# Altium PCB higgs.PcbDoc (part 4 of 25)
Units mm, origin at the board's own origin, x right, y up, seen from the top; angles counter-clockwise.
Board outline 160 x 160 mm, 15 copper layers (TOP, P1(GND), S1(V), P2(GND), S2(H), P3(GND), S3(V12/V2V5), S4(VDDR), P4(GND), S5(V), P5(GND), S6(H), P6(GND), P1(GND) (Plane1), BOT), stack 3.262 mm thick; 1283 components, 2419 nets, 11066 pads, 5487 vias.
Unrouted connection lines stored in the file: 239.
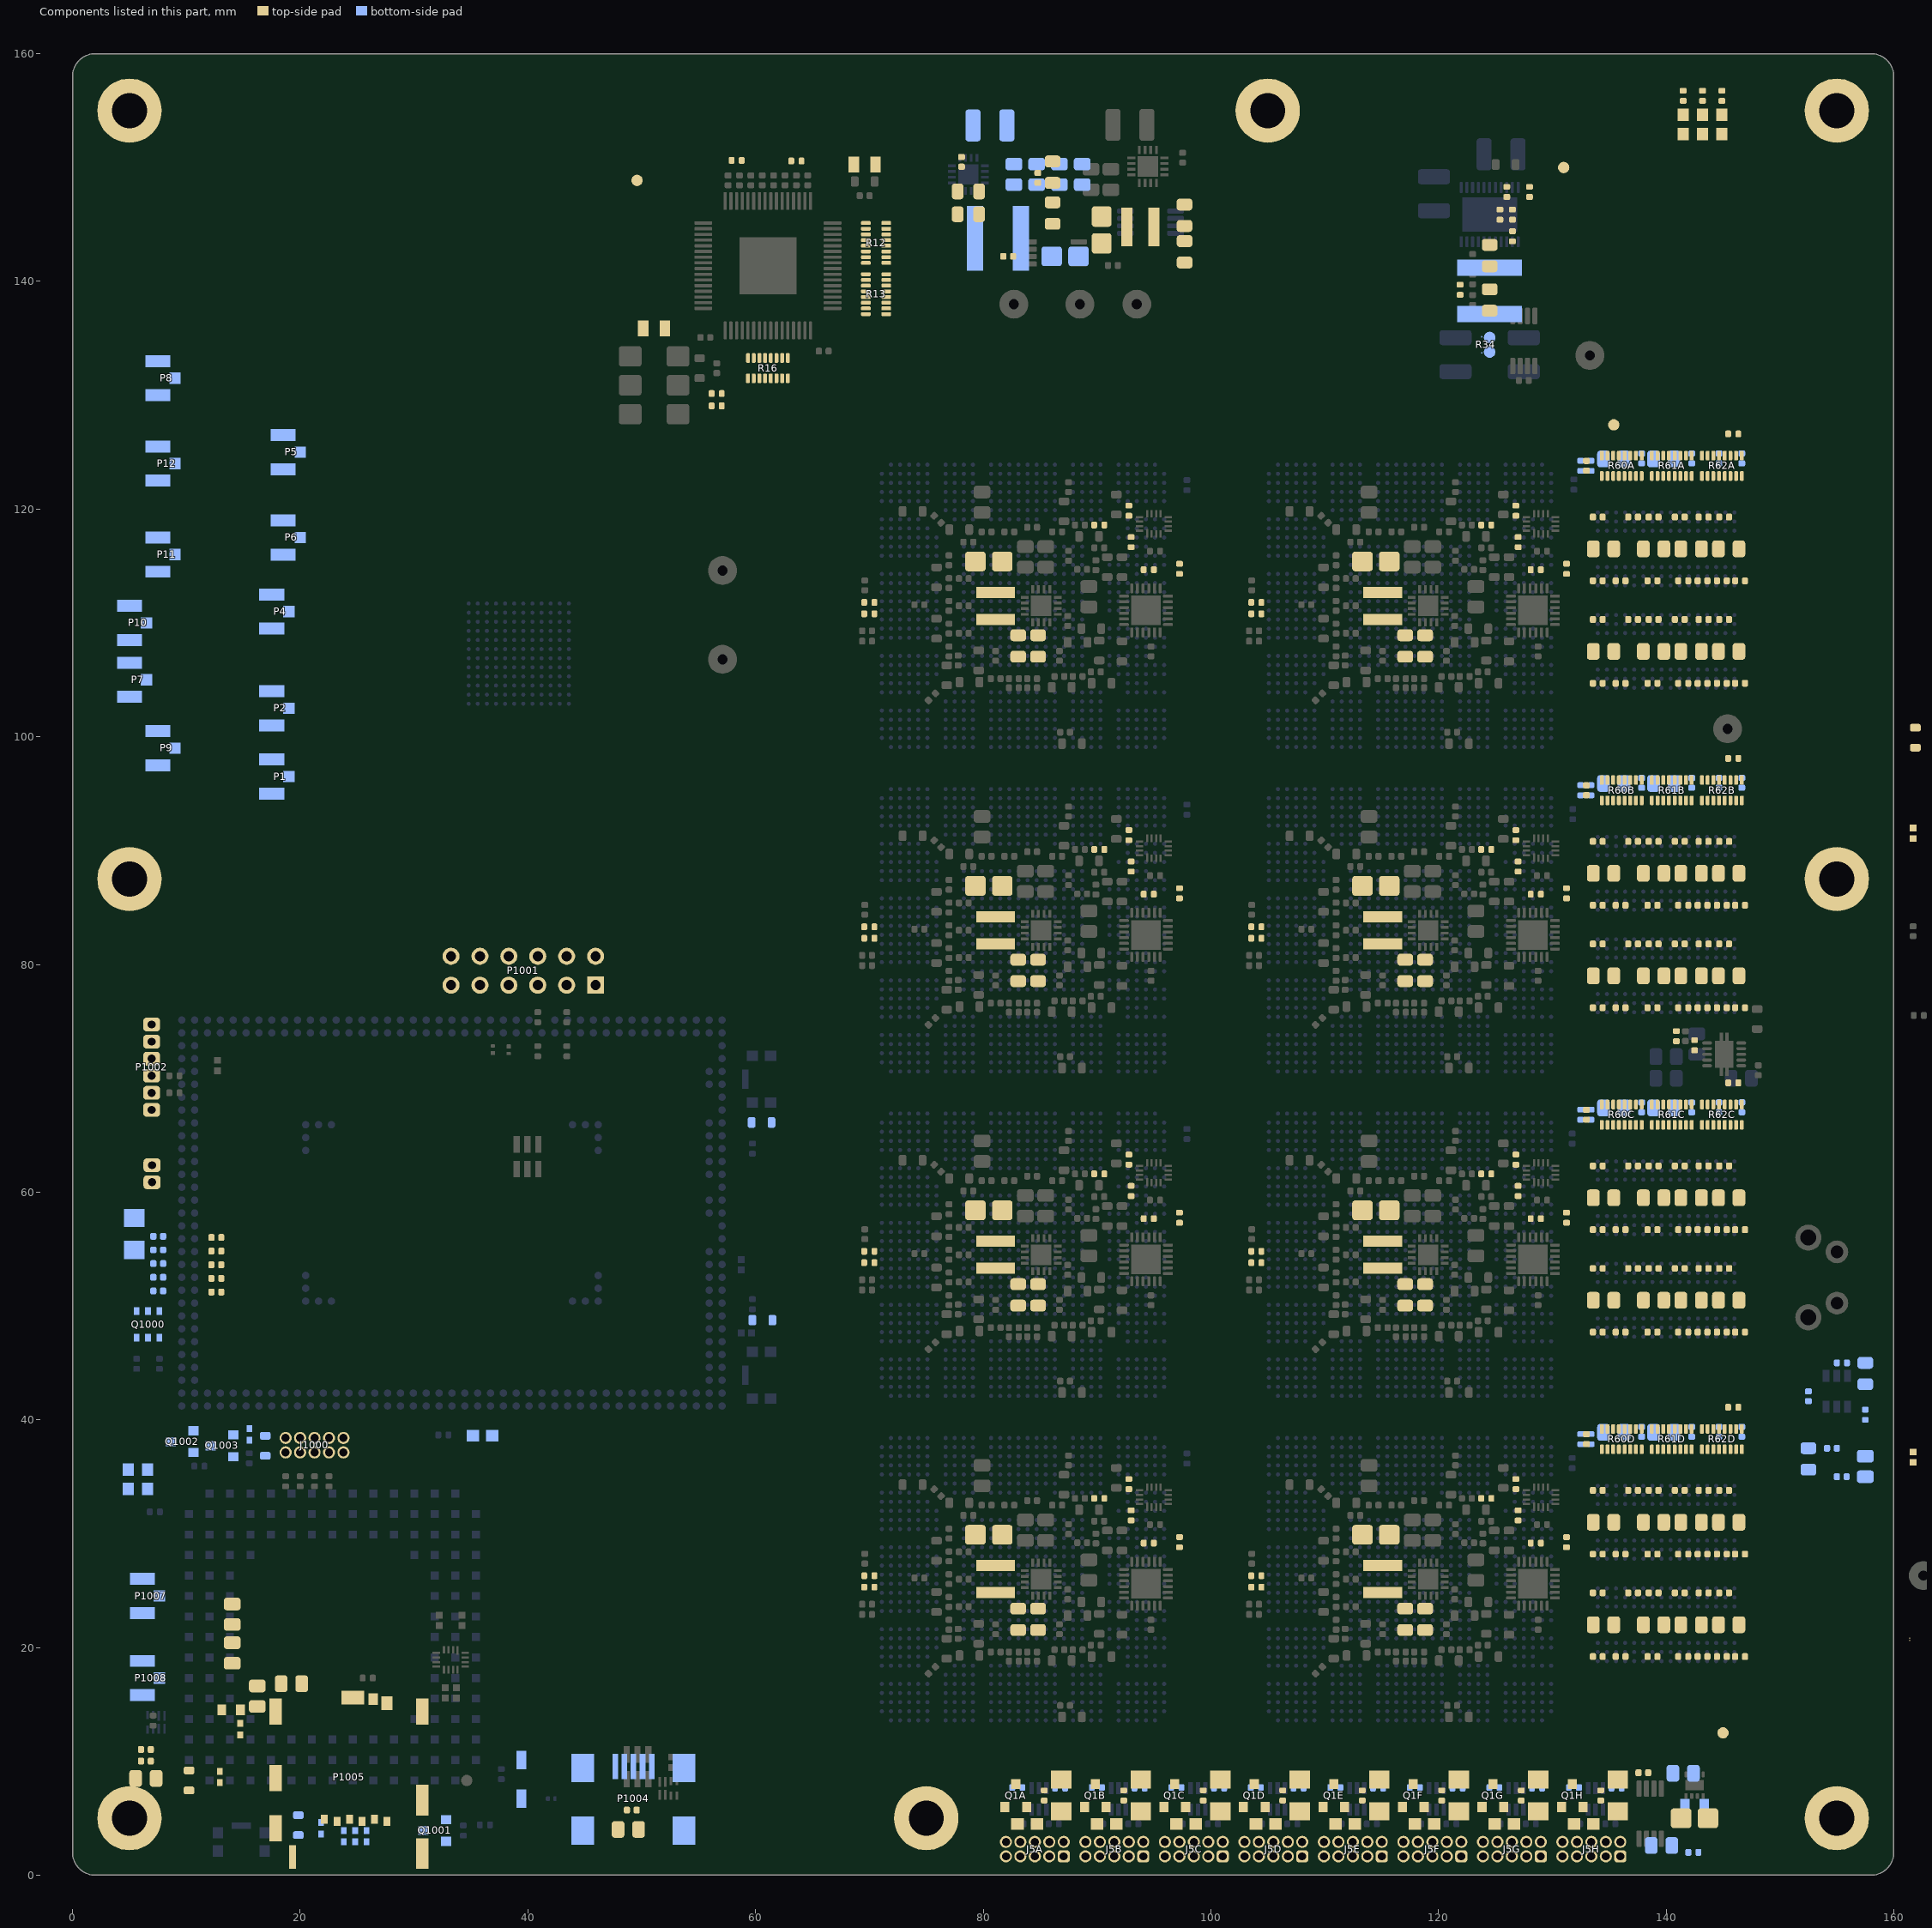
[diagram p17: the components of this part, seen from the top]

## Components (designator, comment, footprint, x,y, rotation, side; value= is the part's Value field where it differs from the comment) (continued)
C108A "GRM155R71C104KA88J" CAPC100X50X55L25N 1115.687,1160.705 r0 top value=100nF (schematic designator C108)
C108B "GRM155R71C104KA88J" CAPC100X50X55L25N 184.599,91.617 r90 top value=100nF (schematic designator C108)
C109A "GRM155R71C104KA88J" CAPC100X50X55L25N 1115.687,1160.705 r0 top value=100nF (schematic designator C109)
C109B "GRM155R71C104KA88J" CAPC100X50X55L25N 193.199,91.617 r90 top value=100nF (schematic designator C109)
C114A "CBR04C200F5GAC" 0402#1 1115.687,1160.705 r0 top value=0.3pF (schematic designator C114)
C114B "CBR04C200F5GAC" 0402#1 161.699,91.517 r90 top value=0.3pF (schematic designator C114)
C115A "C2012X7S1A226M125" CAPC200X125X145L45N 138.9,116.5 r180 top value=22uF (schematic designator C115)
C115B "C2012X7S1A226M125" CAPC200X125X145L45N 138.9,107.5 r180 top value=22uF (schematic designator C115)
C115C "C2012X7S1A226M125" CAPC200X125X145L45N 138.9,88 r180 top value=22uF (schematic designator C115)
C115D "C2012X7S1A226M125" CAPC200X125X145L45N 138.9,79 r180 top value=22uF (schematic designator C115)
C115E "C2012X7S1A226M125" CAPC200X125X145L45N 138.9,59.5 r180 top value=22uF (schematic designator C115)
C115F "C2012X7S1A226M125" CAPC200X125X145L45N 138.9,50.5 r180 top value=22uF (schematic designator C115)
C115G "C2012X7S1A226M125" CAPC200X125X145L45N 138.9,31 r180 top value=22uF (schematic designator C115)
C115H "C2012X7S1A226M125" CAPC200X125X145L45N 138.9,22 r180 top value=22uF (schematic designator C115)
C116A "C2012X7S1A226M125" CAPC200X125X145L45N 142.2,116.5 r180 top value=22uF (schematic designator C116)
C116B "C2012X7S1A226M125" CAPC200X125X145L45N 142.2,107.5 r180 top value=22uF (schematic designator C116)
C116C "C2012X7S1A226M125" CAPC200X125X145L45N 142.2,88 r180 top value=22uF (schematic designator C116)
C116D "C2012X7S1A226M125" CAPC200X125X145L45N 142.2,79 r180 top value=22uF (schematic designator C116)
C116E "C2012X7S1A226M125" CAPC200X125X145L45N 142.2,59.5 r180 top value=22uF (schematic designator C116)
C116F "C2012X7S1A226M125" CAPC200X125X145L45N 142.2,50.5 r180 top value=22uF (schematic designator C116)
C116G "C2012X7S1A226M125" CAPC200X125X145L45N 142.2,31 r180 top value=22uF (schematic designator C116)
C116H "C2012X7S1A226M125" CAPC200X125X145L45N 142.2,22 r180 top value=22uF (schematic designator C116)
C117A "GCM155R71H104KE02" CAPC100X50X55L25N 143.2,113.7 r180 top value=100nF (schematic designator C117)
C117B "GCM155R71H104KE02" CAPC100X50X55L25N 143.2,104.7 r180 top value=100nF (schematic designator C117)
C117C "GCM155R71H104KE02" CAPC100X50X55L25N 143.2,85.2 r180 top value=100nF (schematic designator C117)
C117D "GCM155R71H104KE02" CAPC100X50X55L25N 143.2,76.2 r180 top value=100nF (schematic designator C117)
C117E "GCM155R71H104KE02" CAPC100X50X55L25N 143.2,56.7 r180 top value=100nF (schematic designator C117)
C117F "GCM155R71H104KE02" CAPC100X50X55L25N 143.2,47.7 r180 top value=100nF (schematic designator C117)
C117G "GCM155R71H104KE02" CAPC100X50X55L25N 143.2,28.2 r180 top value=100nF (schematic designator C117)
C117H "GCM155R71H104KE02" CAPC100X50X55L25N 143.2,19.2 r180 top value=100nF (schematic designator C117)
C118A "C2012X7S1A226M125" CAPC200X125X145L45N 134.5,116.5 r180 top value=22uF (schematic designator C118)
C118B "C2012X7S1A226M125" CAPC200X125X145L45N 134.5,107.5 r180 top value=22uF (schematic designator C118)
C118C "C2012X7S1A226M125" CAPC200X125X145L45N 134.5,88 r180 top value=22uF (schematic designator C118)
C118D "C2012X7S1A226M125" CAPC200X125X145L45N 134.5,79 r180 top value=22uF (schematic designator C118)
C118E "C2012X7S1A226M125" CAPC200X125X145L45N 134.5,59.5 r180 top value=22uF (schematic designator C118)
C118F "C2012X7S1A226M125" CAPC200X125X145L45N 134.5,50.5 r180 top value=22uF (schematic designator C118)
C118G "C2012X7S1A226M125" CAPC200X125X145L45N 134.5,31 r180 top value=22uF (schematic designator C118)
C118H "C2012X7S1A226M125" CAPC200X125X145L45N 134.5,22 r180 top value=22uF (schematic designator C118)
C119A "GCM155R71H104KE02" CAPC100X50X55L25N 134,113.7 r180 top value=100nF (schematic designator C119)
C119B "GCM155R71H104KE02" CAPC100X50X55L25N 134,104.7 r180 top value=100nF (schematic designator C119)
C119C "GCM155R71H104KE02" CAPC100X50X55L25N 134,85.2 r180 top value=100nF (schematic designator C119)
C119D "GCM155R71H104KE02" CAPC100X50X55L25N 134,76.2 r180 top value=100nF (schematic designator C119)
C119E "GCM155R71H104KE02" CAPC100X50X55L25N 134,56.7 r180 top value=100nF (schematic designator C119)
C119F "GCM155R71H104KE02" CAPC100X50X55L25N 134,47.7 r180 top value=100nF (schematic designator C119)
C119G "GCM155R71H104KE02" CAPC100X50X55L25N 134,28.2 r180 top value=100nF (schematic designator C119)
C119H "GCM155R71H104KE02" CAPC100X50X55L25N 134,19.2 r180 top value=100nF (schematic designator C119)
C120A "GCM155R71H104KE02" CAPC100X50X55L25N 144.9,113.7 r180 top value=100nF (schematic designator C120)
C120B "GCM155R71H104KE02" CAPC100X50X55L25N 144.9,104.7 r180 top value=100nF (schematic designator C120)
C120C "GCM155R71H104KE02" CAPC100X50X55L25N 144.9,85.2 r180 top value=100nF (schematic designator C120)
C120D "GCM155R71H104KE02" CAPC100X50X55L25N 144.9,76.2 r180 top value=100nF (schematic designator C120)
C120E "GCM155R71H104KE02" CAPC100X50X55L25N 144.9,56.7 r180 top value=100nF (schematic designator C120)
C120F "GCM155R71H104KE02" CAPC100X50X55L25N 144.9,47.7 r180 top value=100nF (schematic designator C120)
C120G "GCM155R71H104KE02" CAPC100X50X55L25N 144.9,28.2 r180 top value=100nF (schematic designator C120)
C120H "GCM155R71H104KE02" CAPC100X50X55L25N 144.9,19.2 r180 top value=100nF (schematic designator C120)
C121A "GCM155R71H104KE02" CAPC100X50X55L25N 138.8,113.7 r0 top value=100nF (schematic designator C121)
C121B "GCM155R71H104KE02" CAPC100X50X55L25N 138.8,104.7 r0 top value=100nF (schematic designator C121)
C121C "GCM155R71H104KE02" CAPC100X50X55L25N 138.8,85.2 r0 top value=100nF (schematic designator C121)
C121D "GCM155R71H104KE02" CAPC100X50X55L25N 138.8,76.2 r0 top value=100nF (schematic designator C121)
C121E "GCM155R71H104KE02" CAPC100X50X55L25N 138.8,56.7 r0 top value=100nF (schematic designator C121)
C121F "GCM155R71H104KE02" CAPC100X50X55L25N 138.8,47.7 r0 top value=100nF (schematic designator C121)
C121G "GCM155R71H104KE02" CAPC100X50X55L25N 138.8,28.2 r0 top value=100nF (schematic designator C121)
C121H "GCM155R71H104KE02" CAPC100X50X55L25N 138.8,19.2 r0 top value=100nF (schematic designator C121)
C122A "GCM155R71H104KE02" CAPC100X50X55L25N 134,119.3 r0 top value=100nF (schematic designator C122)
C122B "GCM155R71H104KE02" CAPC100X50X55L25N 134,110.3 r0 top value=100nF (schematic designator C122)
C122C "GCM155R71H104KE02" CAPC100X50X55L25N 134,90.8 r0 top value=100nF (schematic designator C122)
C122D "GCM155R71H104KE02" CAPC100X50X55L25N 134,81.8 r0 top value=100nF (schematic designator C122)
C122E "GCM155R71H104KE02" CAPC100X50X55L25N 134,62.3 r0 top value=100nF (schematic designator C122)
C122F "GCM155R71H104KE02" CAPC100X50X55L25N 134,53.3 r0 top value=100nF (schematic designator C122)
C122G "GCM155R71H104KE02" CAPC100X50X55L25N 134,33.8 r0 top value=100nF (schematic designator C122)
C122H "GCM155R71H104KE02" CAPC100X50X55L25N 134,24.8 r0 top value=100nF (schematic designator C122)
C123A "GCM155R71H104KE02" CAPC100X50X55L25N 137.1,119.3 r0 top value=100nF (schematic designator C123)
C123B "GCM155R71H104KE02" CAPC100X50X55L25N 137.1,110.3 r0 top value=100nF (schematic designator C123)
C123C "GCM155R71H104KE02" CAPC100X50X55L25N 137.1,90.8 r0 top value=100nF (schematic designator C123)
C123D "GCM155R71H104KE02" CAPC100X50X55L25N 137.1,81.8 r0 top value=100nF (schematic designator C123)
C123E "GCM155R71H104KE02" CAPC100X50X55L25N 137.1,62.3 r0 top value=100nF (schematic designator C123)
C123F "GCM155R71H104KE02" CAPC100X50X55L25N 137.1,53.3 r0 top value=100nF (schematic designator C123)
C123G "GCM155R71H104KE02" CAPC100X50X55L25N 137.1,33.8 r0 top value=100nF (schematic designator C123)
C123H "GCM155R71H104KE02" CAPC100X50X55L25N 137.1,24.8 r0 top value=100nF (schematic designator C123)
C124A "C2012X7S1A226M125" CAPC200X125X145L45N 145.5,116.5 r0 top value=22uF (schematic designator C124)
C124B "C2012X7S1A226M125" CAPC200X125X145L45N 145.5,107.5 r0 top value=22uF (schematic designator C124)
C124C "C2012X7S1A226M125" CAPC200X125X145L45N 145.5,88 r0 top value=22uF (schematic designator C124)
C124D "C2012X7S1A226M125" CAPC200X125X145L45N 145.5,79 r0 top value=22uF (schematic designator C124)
C124E "C2012X7S1A226M125" CAPC200X125X145L45N 145.5,59.5 r0 top value=22uF (schematic designator C124)
C124F "C2012X7S1A226M125" CAPC200X125X145L45N 145.5,50.5 r0 top value=22uF (schematic designator C124)
C124G "C2012X7S1A226M125" CAPC200X125X145L45N 145.5,31 r0 top value=22uF (schematic designator C124)
C124H "C2012X7S1A226M125" CAPC200X125X145L45N 145.5,22 r0 top value=22uF (schematic designator C124)
C125A "GCM155R71H104KE02" CAPC100X50X55L25N 138.9,119.3 r0 top value=100nF (schematic designator C125)
C125B "GCM155R71H104KE02" CAPC100X50X55L25N 138.9,110.3 r0 top value=100nF (schematic designator C125)
C125C "GCM155R71H104KE02" CAPC100X50X55L25N 138.9,90.8 r0 top value=100nF (schematic designator C125)
C125D "GCM155R71H104KE02" CAPC100X50X55L25N 138.9,81.8 r0 top value=100nF (schematic designator C125)
C125E "GCM155R71H104KE02" CAPC100X50X55L25N 138.9,62.3 r0 top value=100nF (schematic designator C125)
C125F "GCM155R71H104KE02" CAPC100X50X55L25N 138.9,53.3 r0 top value=100nF (schematic designator C125)
C125G "GCM155R71H104KE02" CAPC100X50X55L25N 138.9,33.8 r0 top value=100nF (schematic designator C125)
C125H "GCM155R71H104KE02" CAPC100X50X55L25N 138.9,24.8 r0 top value=100nF (schematic designator C125)
C126A "GCM155R71H104KE02" CAPC100X50X55L25N 141.2,119.3 r0 top value=100nF (schematic designator C126)
C126B "GCM155R71H104KE02" CAPC100X50X55L25N 141.2,110.3 r0 top value=100nF (schematic designator C126)
C126C "GCM155R71H104KE02" CAPC100X50X55L25N 141.2,90.8 r0 top value=100nF (schematic designator C126)
C126D "GCM155R71H104KE02" CAPC100X50X55L25N 141.2,81.8 r0 top value=100nF (schematic designator C126)
C126E "GCM155R71H104KE02" CAPC100X50X55L25N 141.2,62.3 r0 top value=100nF (schematic designator C126)
C126F "GCM155R71H104KE02" CAPC100X50X55L25N 141.2,53.3 r0 top value=100nF (schematic designator C126)
C126G "GCM155R71H104KE02" CAPC100X50X55L25N 141.2,33.8 r0 top value=100nF (schematic designator C126)
C126H "GCM155R71H104KE02" CAPC100X50X55L25N 141.2,24.8 r0 top value=100nF (schematic designator C126)
C127A "GCM155R71H104KE02" CAPC100X50X55L25N 145.1,119.3 r0 top value=100nF (schematic designator C127)
C127B "GCM155R71H104KE02" CAPC100X50X55L25N 145.1,110.3 r0 top value=100nF (schematic designator C127)
C127C "GCM155R71H104KE02" CAPC100X50X55L25N 145.1,90.8 r0 top value=100nF (schematic designator C127)
C127D "GCM155R71H104KE02" CAPC100X50X55L25N 145.1,81.8 r0 top value=100nF (schematic designator C127)
C127E "GCM155R71H104KE02" CAPC100X50X55L25N 145.1,62.3 r0 top value=100nF (schematic designator C127)
C127F "GCM155R71H104KE02" CAPC100X50X55L25N 145.1,53.3 r0 top value=100nF (schematic designator C127)
C127G "GCM155R71H104KE02" CAPC100X50X55L25N 145.1,33.8 r0 top value=100nF (schematic designator C127)
C127H "GCM155R71H104KE02" CAPC100X50X55L25N 145.1,24.8 r0 top value=100nF (schematic designator C127)
C128A "GCM155R71H104KE02" CAPC100X50X55L25N 143.3,119.3 r0 top value=100nF (schematic designator C128)
C128B "GCM155R71H104KE02" CAPC100X50X55L25N 143.3,110.3 r0 top value=100nF (schematic designator C128)
C128C "GCM155R71H104KE02" CAPC100X50X55L25N 143.3,90.8 r0 top value=100nF (schematic designator C128)
C128D "GCM155R71H104KE02" CAPC100X50X55L25N 143.3,81.8 r0 top value=100nF (schematic designator C128)
C128E "GCM155R71H104KE02" CAPC100X50X55L25N 143.3,62.3 r0 top value=100nF (schematic designator C128)
C128F "GCM155R71H104KE02" CAPC100X50X55L25N 143.3,53.3 r0 top value=100nF (schematic designator C128)
C128G "GCM155R71H104KE02" CAPC100X50X55L25N 143.3,33.8 r0 top value=100nF (schematic designator C128)
C128H "GCM155R71H104KE02" CAPC100X50X55L25N 143.3,24.8 r0 top value=100nF (schematic designator C128)
C129A "GCM155R71H104KE02" CAPC100X50X55L25N 146.5,113.7 r180 top value=100nF (schematic designator C129)
C129B "GCM155R71H104KE02" CAPC100X50X55L25N 146.5,104.7 r180 top value=100nF (schematic designator C129)
C129C "GCM155R71H104KE02" CAPC100X50X55L25N 146.5,85.2 r180 top value=100nF (schematic designator C129)
C129D "GCM155R71H104KE02" CAPC100X50X55L25N 146.5,76.2 r180 top value=100nF (schematic designator C129)
C129E "GCM155R71H104KE02" CAPC100X50X55L25N 146.5,56.7 r180 top value=100nF (schematic designator C129)
C129F "GCM155R71H104KE02" CAPC100X50X55L25N 146.5,47.7 r180 top value=100nF (schematic designator C129)
C129G "GCM155R71H104KE02" CAPC100X50X55L25N 146.5,28.2 r180 top value=100nF (schematic designator C129)
C129H "GCM155R71H104KE02" CAPC100X50X55L25N 146.5,19.2 r180 top value=100nF (schematic designator C129)
C130A "GCM155R71H104KE02" CAPC100X50X55L25N 136,113.7 r0 top value=100nF (schematic designator C130)
C130B "GCM155R71H104KE02" CAPC100X50X55L25N 136,104.7 r0 top value=100nF (schematic designator C130)
C130C "GCM155R71H104KE02" CAPC100X50X55L25N 136,85.2 r0 top value=100nF (schematic designator C130)
C130D "GCM155R71H104KE02" CAPC100X50X55L25N 136,76.2 r0 top value=100nF (schematic designator C130)
C130E "GCM155R71H104KE02" CAPC100X50X55L25N 136,56.7 r0 top value=100nF (schematic designator C130)
C130F "GCM155R71H104KE02" CAPC100X50X55L25N 136,47.7 r0 top value=100nF (schematic designator C130)
C130G "GCM155R71H104KE02" CAPC100X50X55L25N 136,28.2 r0 top value=100nF (schematic designator C130)
C130H "GCM155R71H104KE02" CAPC100X50X55L25N 136,19.2 r0 top value=100nF (schematic designator C130)
C131 "GCM155R71H104KE02" CAPC100X50X55L25N 152.5,42.07 r90 bottom value=100nF
C132 "GCM155R71H104KE02" CAPC100X50X55L25N 154.57,37.5 r0 bottom value=100nF
C133 "GRM155R71H103KA88" CAPC100X50X55L25N 155.43,35 r180 bottom value=10nF
C134 "CAP 0805" CAPC200X125X145L45N 157.5,35.9 r90 bottom
C135A "GRM155R71H103KA88" CAPC100X50X55L25N 133,123.8 r90 top value=10nF (schematic designator C135)
C135B "GRM155R71H103KA88" CAPC100X50X55L25N 133,95.3 r90 top value=10nF (schematic designator C135)
C135C "GRM155R71H103KA88" CAPC100X50X55L25N 133,66.8 r90 top value=10nF (schematic designator C135)
C135D "GRM155R71H103KA88" CAPC100X50X55L25N 133,38.3 r90 top value=10nF (schematic designator C135)
C136A "C2012X7S1A226M125" CAPC200X125X145L45N 135.4,124.4 r0 bottom value=22uF (schematic designator C136)
C136B "C2012X7S1A226M125" CAPC200X125X145L45N 135.4,95.9 r0 bottom value=22uF (schematic designator C136)
C136C "C2012X7S1A226M125" CAPC200X125X145L45N 135.4,67.4 r0 bottom value=22uF (schematic designator C136)
C136D "C2012X7S1A226M125" CAPC200X125X145L45N 135.4,38.9 r0 bottom value=22uF (schematic designator C136)
C137A "C2012X7S1A226M125" CAPC200X125X145L45N 139.8,124.4 r0 bottom value=22uF (schematic designator C137)
C137B "C2012X7S1A226M125" CAPC200X125X145L45N 139.8,95.9 r0 bottom value=22uF (schematic designator C137)
C137C "C2012X7S1A226M125" CAPC200X125X145L45N 139.8,67.4 r0 bottom value=22uF (schematic designator C137)
C137D "C2012X7S1A226M125" CAPC200X125X145L45N 139.8,38.9 r0 bottom value=22uF (schematic designator C137)
C138A "GCM155R71H104KE02" CAPC100X50X55L25N 144.65,124.45 r90 bottom value=100nF (schematic designator C138)
C138B "GCM155R71H104KE02" CAPC100X50X55L25N 144.65,95.95 r90 bottom value=100nF (schematic designator C138)
C138C "GCM155R71H104KE02" CAPC100X50X55L25N 144.65,67.45 r90 bottom value=100nF (schematic designator C138)
C138D "GCM155R71H104KE02" CAPC100X50X55L25N 144.65,38.95 r90 bottom value=100nF (schematic designator C138)
C139A "GCM155R71H104KE02" CAPC100X50X55L25N 142.25,124.445 r90 bottom value=100nF (schematic designator C139)
C139B "GCM155R71H104KE02" CAPC100X50X55L25N 142.25,95.945 r90 bottom value=100nF (schematic designator C139)
C139C "GCM155R71H104KE02" CAPC100X50X55L25N 142.25,67.445 r90 bottom value=100nF (schematic designator C139)
C139D "GCM155R71H104KE02" CAPC100X50X55L25N 142.25,38.945 r90 bottom value=100nF (schematic designator C139)
C140A "GCM155R71H104KE02" CAPC100X50X55L25N 137.85,124.445 r90 bottom value=100nF (schematic designator C140)
C140B "GCM155R71H104KE02" CAPC100X50X55L25N 137.85,95.945 r90 bottom value=100nF (schematic designator C140)
C140C "GCM155R71H104KE02" CAPC100X50X55L25N 137.85,67.445 r90 bottom value=100nF (schematic designator C140)
C140D "GCM155R71H104KE02" CAPC100X50X55L25N 137.85,38.945 r90 bottom value=100nF (schematic designator C140)
C141A "GCM155R71H104KE02" CAPC100X50X55L25N 146.65,124.45 r90 bottom value=100nF (schematic designator C141)
C141B "GCM155R71H104KE02" CAPC100X50X55L25N 146.65,95.95 r90 bottom value=100nF (schematic designator C141)
C141C "GCM155R71H104KE02" CAPC100X50X55L25N 146.65,67.45 r90 bottom value=100nF (schematic designator C141)
C141D "GCM155R71H104KE02" CAPC100X50X55L25N 146.65,38.95 r90 bottom value=100nF (schematic designator C141)
C142A "ZRB18AR61E106ME01L" CAPC160X80X90L20N 1115.687,1160.705 r0 top value=10uF (schematic designator C142)
C142B "ZRB18AR61E106ME01L" CAPC160X80X90L20N 262.499,99.917 r90 top value=10uF (schematic designator C142)
C143A "GRM155R71H103KA88" CAPC100X50X55L25N 1115.687,1160.705 r0 top value=10nF (schematic designator C143)
C143B "GRM155R71H103KA88" CAPC100X50X55L25N 220.399,100.417 r90 top value=10nF (schematic designator C143)
C144A "GRM155R71C104KA88J" CAPC100X50X55L25N 1115.687,1160.705 r0 top value=100nF (schematic designator C144)
C144B "GRM155R71C104KA88J" CAPC100X50X55L25N 228.999,100.417 r90 top value=100nF (schematic designator C144)
C145A "GRM155R71H103KA88" CAPC100X50X55L25N 1115.687,1160.705 r0 top value=10nF (schematic designator C145)
C145B "GRM155R71H103KA88" CAPC100X50X55L25N 237.699,100.417 r90 top value=10nF (schematic designator C145)
C146A "GRM155R71C104KA88J" CAPC100X50X55L25N 1115.687,1160.705 r0 top value=100nF (schematic designator C146)
C146B "GRM155R71C104KA88J" CAPC100X50X55L25N 246.299,100.417 r90 top value=100nF (schematic designator C146)
C147A "GQM1885C1H150JB01D" CAPC160X80X90L20N 1115.687,1160.705 r0 top value=15pF (schematic designator C147)
C147B "GQM1885C1H150JB01D" CAPC160X80X90L20N 196.199,99.917 r90 top value=15pF (schematic designator C147)
C148A "GQM1885C1H150JB01D" CAPC160X80X90L20N 1115.687,1160.705 r0 top value=15pF (schematic designator C148)
C148B "GQM1885C1H150JB01D" CAPC160X80X90L20N 204.799,99.917 r90 top value=15pF (schematic designator C148)
C149A "06032U6R8BAT2A" CAPC160X80X90L20N 1115.687,1160.705 r0 top value=6.8pF (schematic designator C149)
C149B "06032U6R8BAT2A" CAPC160X80X90L20N 161.899,99.917 r90 top value=6.8pF (schematic designator C149)
C150A "06032U3R9BAT2A" CAPC160X80X90L20N 1115.687,1160.705 r0 top value=3.9pF (schematic designator C150)
C150B "06032U3R9BAT2A" CAPC160X80X90L20N 170.499,99.917 r90 top value=3.9pF (schematic designator C150)
C151A "06032U5R6BAT2A" CAPC160X80X90L20N 1115.687,1160.705 r0 top value=5.6pF (schematic designator C151)
C151B "06032U5R6BAT2A" CAPC160X80X90L20N 179.099,99.917 r90 top value=5.6pF (schematic designator C151)
C152A "06032U3R9BAT2A" CAPC160X80X90L20N 1115.687,1160.705 r0 top value=3.9pF (schematic designator C152)
C152B "06032U3R9BAT2A" CAPC160X80X90L20N 187.499,99.917 r90 top value=3.9pF (schematic designator C152)
C153 "CBR04C200F5GAC" 0402#1 -15.1,130.781 r0 bottom value=20pF
C154 "CBR04C200F5GAC" 0402#1 -15.1,118.181 r0 bottom value=20pF
C155 "CBR04C200F5GAC" 0402#1 -15.1,105.281 r0 bottom value=20pF
C156 "CBR04C200F5GAC" 0402#1 -15.1,92.781 r0 bottom value=20pF
C157 "CBR04C200F5GAC" 0402#1 -15.1,79.781 r0 bottom value=20pF
C158 "GCM155R71H104KE02" CAPC100X50X55L25N 138,9 r0 top value=100nF